# KiCad board 2000ATX.kicad_pcb (continued)
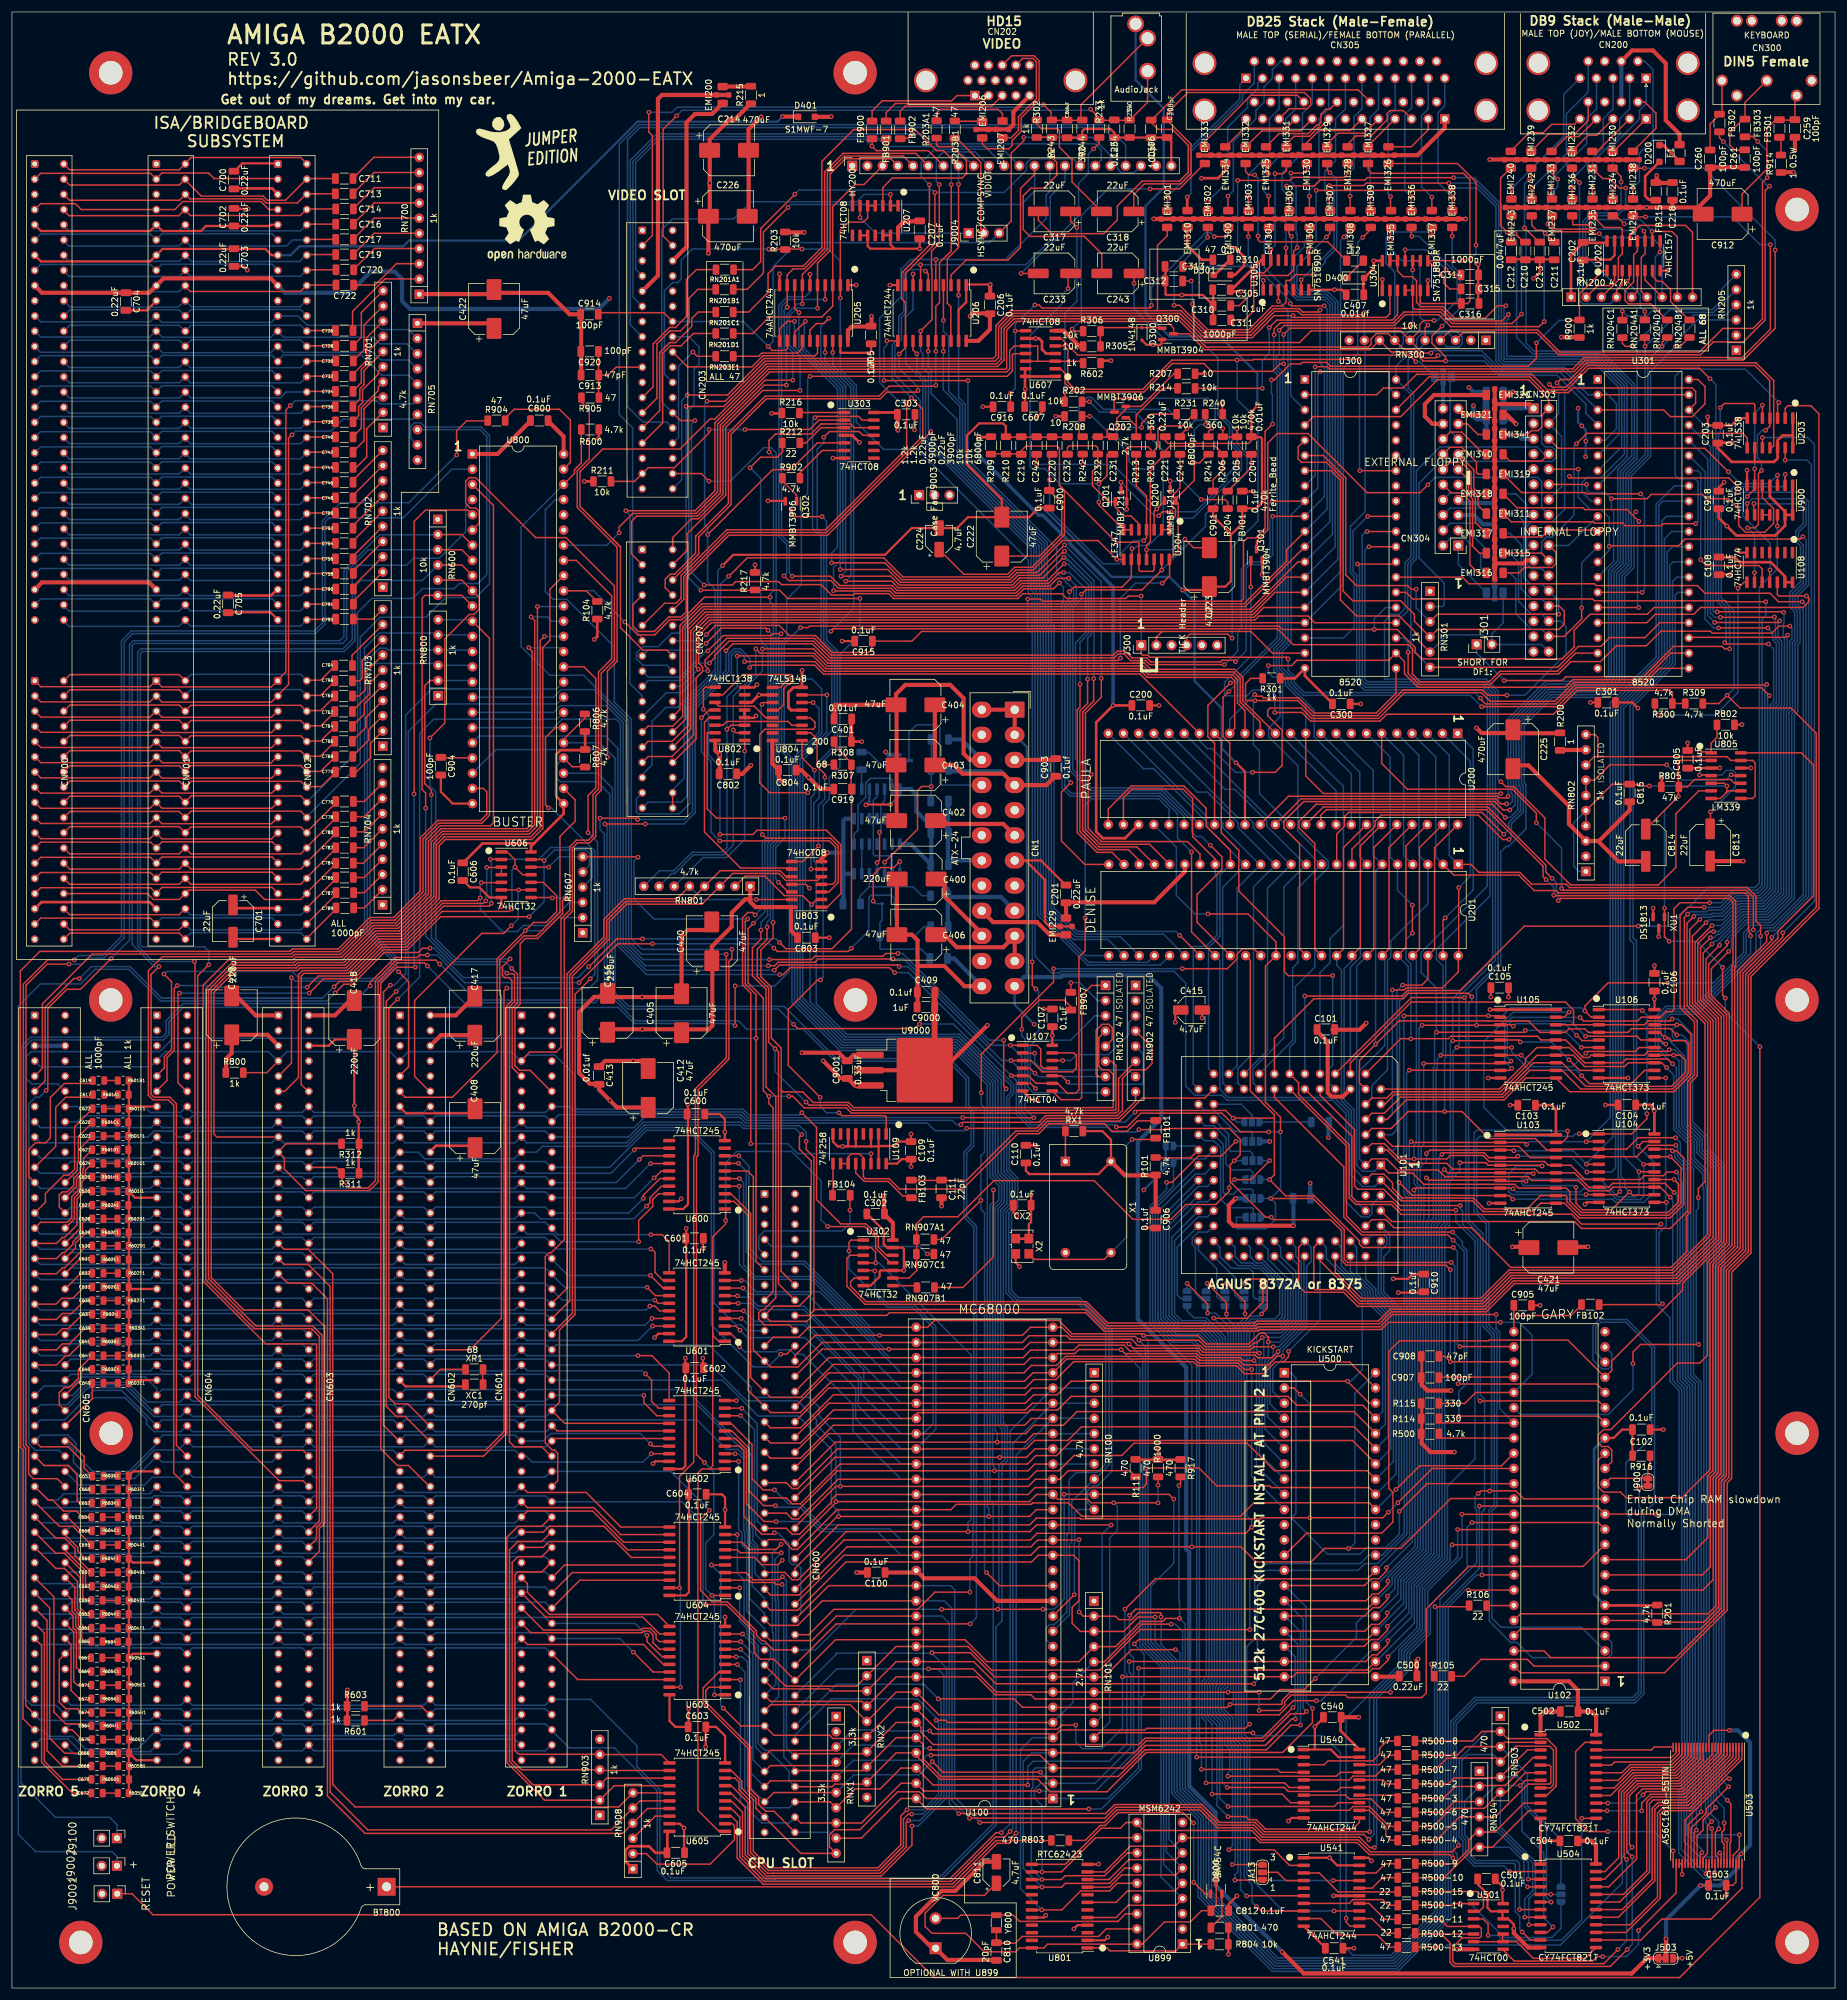
[diagram p0: board, top side]
## Placement (name value [footprint] x y rotation side) (continued)
EMI320  100pF  [C_1206_3216_Feedthrough]  247.9 266.19 180 top
EMI321  100pF  [C_1206_3216_Feedthrough]  247.9 262.89 180 top
EMI322  100pF  [C_1206_3216_Feedthrough]  247.9 233.17 180 bottom
EMI323  100pF  [C_1206_3216_Feedthrough]  247.9 239.78 180 bottom
EMI324  100pF  [C_1206_3216_Feedthrough]  247.9 243.08 180 bottom
EMI325  100pF  [C_1206_3216_Feedthrough]  209.67 306.27 90 top
EMI326  100pF  [C_1206_3216_Feedthrough]  230.12 306.27 90 top
EMI327  100pF  [C_1206_3216_Feedthrough]  226.71 306.27 90 top
EMI328  100pF  [C_1206_3216_Feedthrough]  223.31 306.27 90 top
EMI329  100pF  [C_1206_3216_Feedthrough]  219.9 306.27 90 top
EMI330  100pF  [C_1206_3216_Feedthrough]  216.49 306.27 90 top
EMI331  100pF  [C_1206_3216_Feedthrough]  213.08 306.27 90 top
EMI332  100pF  [C_1206_3216_Feedthrough]  206.26 306.27 270 top
EMI333  100pF  [C_1206_3216_Feedthrough]  199.44 306.27 270 top
EMI334  100pF  [C_1206_3216_Feedthrough]  202.85 306.27 270 top
EMI335  100pF  [C_1206_3216_Feedthrough]  230.58 295.61 90 top
EMI336  100pF  [C_1206_3216_Feedthrough]  233.98 295.61 90 top
EMI337  100pF  [C_1206_3216_Feedthrough]  237.39 295.61 90 top
EMI338  100pF  [C_1206_3216_Feedthrough]  240.79 295.61 90 top
EMI339  100pF  [C_1206_3216_Feedthrough]  247.9 246.38 180 bottom
EMI340  100pF  [C_1206_3216_Feedthrough]  247.9 256.29 180 top
EMI341  100pF  [C_1206_3216_Feedthrough]  247.9 259.59 180 top
F1  4A  [Fuse_1206_3216Metric]  278.81 306.63 90 top
F2  4A  [Fuse_1206_3216Metric]  224.54 288.65 180 top
F3  Fuse  [Fuse_1206_3216Metric]  247.9 266.7 180 bottom
F4  Fuse  [Fuse_1206_3216Metric]  247.9 262.13 180 bottom
FB101  Ferrite_Bead  [C_1206_3216Metric]  191.21 143.5 90 top
FB102  Ferrite_Bead  [C_1206_3216Metric]  263.88 114.2 180 top
FB103  Ferrite_Bead  [C_1206_3216Metric]  150.37 133.53 270 top
FB104  Ferrite_Bead  [C_1206_3216Metric]  138.66 132.48 0 top
FB215  Ferrite_Bead  [C_1206_3216Metric]  274.83 300.23 270 top
FB301  Ferrite_Bead  [C_1206_3216Metric]  295.5 310.73 270 top
FB302  Ferrite_Bead  [C_1206_3216Metric]  285.48 311.65 270 top
FB303  Ferrite_Bead  [C_1206_3216Metric]  289.75 310.81 270 top
FB401  Ferrite_Bead  [C_1206_3216Metric]  205.69 248.67 270 top
FB900  Ferrite_Bead  [C_1206_3216Metric]  143.8 310.5 270 top
FB901  Ferrite_Bead  [C_1206_3216Metric]  146.15 310.5 270 top
FB902  Ferrite_Bead  [C_1206_3216Metric]  148.5 310.5 270 top
FB907  Ferrite_Bead  [C_1206_3216Metric]  177.04 164.9 90 top
G***  LOGO  [JumperImage]  81.3 306.82 0 top
H1  -  [MountingHole_Pad]  16.51 320.04 0 top
H2  -  [MountingHole_Pad]  140.97 320.04 0 top
H3  -  [MountingHole_Pad]  298.45 297.18 0 top
H4  -  [MountingHole_Pad]  16.51 165.1 0 top
H5  -  [MountingHole_Pad]  141.02 165.1 0 top
H6  -  [MountingHole_Pad]  298.45 165.1 0 top
H7  -  [MountingHole_Pad]  16.59 92.71 0 top
H9  -  [MountingHole_Pad]  298.45 92.71 0 top
H10  -  [MountingHole_Pad]  11.51 7.62 0 top
H11  -  [MountingHole_Pad]  140.97 7.62 0 top
H12  -  [MountingHole_Pad]  298.45 7.62 0 top
HY200  VIDIOT  [PinSocket_1x22_P2.54mm_Vertical]  140.49 304.5 90 top
J102  Short for 8327A NTSC or 8375  [SolderJumper-2_P1.3mm_Open_RoundedPad1.0x1.5mm]  193.55 140.72 0 bottom
J300  TICK Header  [PinHeader_1x06_P2.54mm_Vertical]  188.8 224.38 90 top
J301  SHORT FOR DF1  [PinHeader_1x02_P2.54mm_Vertical]  244.88 224.54 90 top
J503  Mcc  [SolderJumper-3_P1.3mm_Bridged12_RoundedPad1.0x1.5mm]  276.49 4.98 0 top
J900  Enable Chip RAM slowdown during DMA  [SolderJumper-2_P1.3mm_Bridged_RoundedPad1.0x1.5mm]  273.5 84.52 90 top
J9001  RESET  [PinHeader_1x02_P2.54mm_Vertical]  17.6 15.75 270 top
J9002  POWER LED  [PinHeader_1x02_P2.54mm_Vertical]  17.55 20.42 270 top
J9003  Case Fan  [FanHeader_1x03_P2.54mm_Vertical]  151.68 249.47 90 top
J9004  HSYNC/COMPSYNC  [PinHeader_1x03_P2.54mm_Vertical]  159.96 293.24 90 top
J9100  POWER_SWITCH  [PinHeader_1x02_P2.54mm_Vertical]  17.55 25.04 270 top
JA1  8375/8372A  [SolderJumper-3_P1.3mm_Open_RoundedPad1.0x1.5mm]  207.3 144.72 0 bottom
JA2  8375/8372A  [SolderJumper-3_P1.3mm_Open_RoundedPad1.0x1.5mm]  207.37 141.48 0 bottom
JA3  8375/8372A  [SolderJumper-3_P1.3mm_Open_RoundedPad1.0x1.5mm]  207.41 138.25 0 bottom
JA4  8375/8372A  [SolderJumper-3_P1.3mm_Open_RoundedPad1.0x1.5mm]  207.46 135.09 0 bottom
JA5  8375/8372A  [SolderJumper-3_P1.3mm_Open_RoundedPad1.0x1.5mm]  207.49 131.94 0 bottom
JA6  8375/8372A  [SolderJumper-3_P1.3mm_Open_RoundedPad1.0x1.5mm]  207.53 128.79 0 bottom
JA7  8372A  [SolderJumper-2_P1.3mm_Open_RoundedPad1.0x1.5mm]  193.55 137.92 180 bottom
JA8  8375/8372A  [SolderJumper-3_P1.3mm_Open_RoundedPad1.0x1.5mm]  209.15 115.17 270 bottom
JA9  8375/8372A  [SolderJumper-3_P1.3mm_Open_RoundedPad1.0x1.5mm]  205.98 115.17 270 bottom
JA10  8375/8372A  [SolderJumper-3_P1.3mm_Open_RoundedPad1.0x1.5mm]  202.81 115.18 270 bottom
JA11  8375/8372A  [SolderJumper-3_P1.3mm_Open_RoundedPad1.0x1.5mm]  199.64 115.18 270 bottom
JA12  8375/8372A  [SolderJumper-3_P1.3mm_Open_RoundedPad1.0x1.5mm]  196.47 115.22 270 bottom
JA13  8375/8372A  [SolderJumper-3_P1.3mm_Open_RoundedPad1.0x1.5mm]  209.08 19.33 90 top
JA14  8375/8372A  [SolderJumper-3_P1.3mm_Open_RoundedPad1.0x1.5mm]  258.98 15.65 270 bottom
Q200  MMBFJ211  [SOT-23]  193.65 249.48 90 top
Q201  MMBFJ211  [SOT-23]  185.42 249.33 90 top
Q202  MMBT3906  [SOT-23]  185.27 263.34 180 top
Q300  MMBT3904  [SOT-23]  193.22 276.42 0 top
Q301  MMBT3904  [SOT-23]  208.09 239.51 90 top
Q302  MMBT3906  [SOT-23]  130.23 247.51 270 top
Q9100  MMBT3904  [SOT-23]  148.97 205.12 0 bottom
R101  4.7k  [R_1206_3216Metric]  191.21 137.32 90 top
R104  4.7k  [R_1206_3216Metric]  97.87 230.23 90 top
R105  22  [R_1206_3216Metric]  239.24 52.1 0 top
R106  22  [R_1206_3216Metric]  245.08 63.91 0 top
R109  4.7k  [R_1206_3216Metric]  218.69 144.71 180 bottom
R111  470  [R_1206_3216Metric]  187.86 86.87 270 top
R114  330  [R_1206_3216Metric]  237.08 95.15 180 top
R115  330  [R_1206_3216Metric]  237.08 97.69 180 top
R200  1  [R_1206_3216Metric]  258.83 208.28 90 top
R201  4.7k  [R_1206_3216Metric]  275.08 62.53 270 top
R202  10k  [R_1206_3216Metric]  177.44 265.07 0 top
R203  10k  [R_1206_3216Metric]  129.29 291.97 90 top
R203A1  47  [R_1206_3216Metric]  154.58 310.59 270 top
R203B1  47  [R_1206_3216Metric]  157.63 310.54 270 top
R204  470k  [R_1206_3216Metric]  203.25 248.67 270 top
R205  470k  [R_1206_3216Metric]  204.83 257.76 270 top
R206  10k  [R_1206_3216Metric]  202.44 257.76 270 top
R207  10  [R_1206_3216Metric]  196.34 269.75 180 top
R208  10  [R_1206_3216Metric]  177.44 262.64 180 top
R209  1.2k  [R_1206_3216Metric]  163.68 257.78 270 top
R210  1.2k  [R_1206_3216Metric]  166.19 257.78 90 top
R211  10k  [R_1206_3216Metric]  98.68 251.76 0 top
R212  22  [R_1206_3216Metric]  130.25 258.19 0 top
R213  2.7k  [R_1206_3216Metric]  187.96 257.76 90 top
R214  10k  [R_1206_3216Metric]  196.34 267.31 180 top
R215  1  [R_1206_3216Metric]  123.55 316.33 90 top
R216  10k  [R_1206_3216Metric]  130.2 263.17 0 top
R217  4.7k  [R_1206_3216Metric]  124.24 235.08 90 top
R230  360  [R_1206_3216Metric]  190.4 257.76 90 top
R231  10k  [R_1206_3216Metric]  196.19 262.99 0 top
R232  10k  [R_1206_3216Metric]  181.54 257.78 90 top
R233  1k  [R_1206_3216Metric]  181.77 310.69 270 top
R234  390  [R_1206_3216Metric]  186.85 310.69 90 top
R240  360  [R_1206_3216Metric]  200.96 262.99 0 top
R241  10k  [R_1206_3216Metric]  200.05 257.76 270 top
R242  10k  [R_1206_3216Metric]  179.02 257.78 90 top
R243  1k  [R_1206_3216Metric]  173.87 310.69 270 top
R244  390  [R_1206_3216Metric]  178.95 310.69 90 top
R300  4.7k  [R_1206_3216Metric]  276.14 214.64 180 top
R301  1k  [R_1206_3216Metric]  210.57 218.85 180 top
R302  1k  [R_1206_3216Metric]  171.35 310.69 90 top
R305  10k  [R_1206_3216Metric]  180.54 274.32 180 top
R306  10k  [R_1206_3216Metric]  180.54 276.86 0 top
R307  68  [R_1206_3216Metric]  138.89 204.42 180 top
R308  200  [R_1206_3216Metric]  138.89 208.28 180 top
R309  4.7k  [R_1206_3216Metric]  281.22 214.64 0 top
R310  47 0.5W  [R_1206_3216Metric]  202.23 288.8 0 top
R311  1k  [R_1206_3216Metric]  56.57 136.14 180 top
R312  1k  [R_1206_3216Metric]  56.57 141.07 180 top
R500  4.7k  [R_1206_3216Metric]  237.08 92.61 0 top
R500-1  47  [R_1206_3216Metric]  233.12 38.91 180 top
R500-2  47  [R_1206_3216Metric]  233.15 34.1 180 top
R500-3  47  [R_1206_3216Metric]  233.15 31.7 180 top
R500-4  47  [R_1206_3216Metric]  233.14 24.7 180 top
R500-5  47  [R_1206_3216Metric]  233.14 27.02 180 top
R500-6  47  [R_1206_3216Metric]  233.15 29.35 180 top
R500-7  47  [R_1206_3216Metric]  233.16 36.5 180 top
R500-8  47  [R_1206_3216Metric]  233.11 41.29 180 top
R500-9  47  [R_1206_3216Metric]  233.16 20.77 180 top
R500-10  47  [R_1206_3216Metric]  233.15 18.44 180 top
R500-11  47  [R_1206_3216Metric]  233.15 11.49 180 top
R500-12  22  [R_1206_3216Metric]  233.15 9.16 180 top
R500-13  47  [R_1206_3216Metric]  233.15 6.84 180 top
R500-14  22  [R_1206_3216Metric]  233.16 13.83 180 top
R500-15  22  [R_1206_3216Metric]  233.15 16.13 180 top
R600  4.7k  [R_1206_3216Metric]  96.65 260.44 0 top
R601  1k  [R_1206_3216Metric]  57.48 44.7 0 top
R601A1  1k  [R_0805_2012Metric]  18.61 149.29 180 top
R601B1  1k  [R_0805_2012Metric]  18.61 151.64 180 top
R601C1  1k  [R_0805_2012Metric]  18.54 144.65 180 top
R601D1  1k  [R_0805_2012Metric]  18.54 140.08 180 top
R601E1  1k  [R_0805_2012Metric]  18.61 146.94 180 top
R601F1  1k  [R_0805_2012Metric]  18.54 142.37 180 top
R601G1  1k  [R_0805_2012Metric]  18.54 137.79 180 top
R601H1  1k  [R_0805_2012Metric]  18.54 135.51 180 top
R601I1  1k  [R_0805_2012Metric]  18.54 133.16 180 top
R602  1k  [R_1206_3216Metric]  180.54 271.53 180 top
R602A1  1k  [R_0805_2012Metric]  18.54 130.81 180 top
R602B1  1k  [R_0805_2012Metric]  18.54 128.52 180 top
R602C1  1k  [R_0805_2012Metric]  18.61 126.24 180 top
R602D1  1k  [R_0805_2012Metric]  18.61 124.02 180 top
R602E1  1k  [R_0805_2012Metric]  18.61 121.73 180 top
R602F1  1k  [R_0805_2012Metric]  18.61 119.44 180 top
R602G1  1k  [R_0805_2012Metric]  18.61 117.16 180 top
R602H1  1k  [R_0805_2012Metric]  18.61 114.87 180 top
R602I1  1k  [R_0805_2012Metric]  18.61 112.59 180 top
R603  1k  [R_1206_3216Metric]  57.48 47.09 0 top
R603A1  1k  [R_0805_2012Metric]  18.61 110.3 180 top
R603B1  1k  [R_0805_2012Metric]  18.61 108.01 180 top
R603C1  1k  [R_0805_2012Metric]  18.61 103.38 180 top
R603D1  1k  [R_0805_2012Metric]  18.61 105.66 180 top
R603E1  1k  [R_0805_2012Metric]  18.61 101.09 180 top
R603F1  1k  [R_0805_2012Metric]  18.61 83.31 180 top
R603G1  1k  [R_0805_2012Metric]  18.61 85.6 180 top
R603H1  1k  [R_0805_2012Metric]  18.61 81.03 180 top
R603I1  1k  [R_0805_2012Metric]  18.61 78.68 180 top
R604  1k  [R_0805_2012Metric]  18.61 57.85 180 top
R604A1  1k  [R_0805_2012Metric]  18.61 74.04 180 top
R604B1  1k  [R_0805_2012Metric]  18.61 69.47 180 top
R604C1  1k  [R_0805_2012Metric]  18.61 76.39 180 top
R604D1  1k  [R_0805_2012Metric]  18.61 64.77 180 top
R604E1  1k  [R_0805_2012Metric]  18.61 71.75 180 top
R604F1  1k  [R_0805_2012Metric]  18.61 60.13 180 top
R604G1  1k  [R_0805_2012Metric]  18.61 67.12 180 top
R604H1  1k  [R_0805_2012Metric]  18.61 62.48 180 top
R604I1  1k  [R_0805_2012Metric]  18.67 43.81 180 top
R605  1k  [R_0805_2012Metric]  18.67 39.24 180 top
R605A1  1k  [R_0805_2012Metric]  18.61 55.18 180 top
R605B1  1k  [R_0805_2012Metric]  18.67 37.08 180 top
R605C1  1k  [R_0805_2012Metric]  18.67 52.9 180 top
R605D1  1k  [R_0805_2012Metric]  18.67 34.86 180 top
R605E1  1k  [R_0805_2012Metric]  18.67 50.61 180 top
R605F1  1k  [R_0805_2012Metric]  18.61 32.58 180 top
R605G1  1k  [R_0805_2012Metric]  18.67 48.32 180 top
R605H1  1k  [R_0805_2012Metric]  18.67 46.04 180 top
R605I1  1k  [R_0805_2012Metric]  18.67 41.53 180 top
R800  1k  [R_1206_3216Metric]  37.21 152.96 0 top
R801  470  [R_1206_3216Metric]  201.91 10.1 180 top
R802  10k  [R_1206_3216Metric]  286.52 211.09 0 top
R803  470  [R_1206_3216Metric]  175.24 24.67 0 top
R804  10k  [R_1206_3216Metric]  201.91 7.3 180 top
R805  47k  [R_1206_3216Metric]  277.22 200.71 0 top
R806  4.7k  [R_1206_3216Metric]  95.78 211.43 270 top
R807  4.7k  [R_1206_3216Metric]  95.83 205.49 90 top
R900  1k  [R_1206_3216Metric]  262.08 277.27 90 top
R902  4.7k  [R_1206_3216Metric]  130.27 252.3 0 top
R904  47  [R_1206_3216Metric]  81 261.92 0 top
R905  47  [R_1206_3216Metric]  96.67 265.76 180 top
R914  1 0.5W  [R_1206_3216Metric]  295.76 304.84 90 top
R916  4.7k  [R_1206_3216Metric]  272.41 88.95 180 top
R917  470  [R_1206_3216Metric]  195.38 86.87 270 top
R1000  470  [R_1206_3216Metric]  191.62 86.87 270 top
R9100  30k  [R_1206_3216Metric]  155.06 177.37 180 bottom
R9101  6.2k  [R_1206_3216Metric]  146.52 175.75 0 bottom
R9102  30k  [R_1206_3216Metric]  155.1 203.59 180 bottom
R9103  47k  [R_1206_3216Metric]  155.03 182.52 180 bottom
R9104  4.7k  [R_1206_3216Metric]  142.05 205.06 270 bottom
R9105  30k  [R_1206_3216Metric]  155.11 208.65 0 bottom
REF**  -  [OSHW-Logo2_14.6x12mm_SilkScreen]  86.1 294.13 0 top
RN100  4.7k  [R_Array_SIP10]  180.95 102.82 270 top
RN101  2.7k  [R_Array_SIP10]  180.9 64.67 270 top
RN102  47  [R_Array_SIP8]  182.83 167.54 270 top
RN200  4.7k  [R_Array_SIP9]  260.65 282.55 0 top
RN201A1  47  [R_1206_3216Metric]  119.18 287.15 180 top
RN201B1  47  [R_1206_3216Metric]  119.13 283.85 180 top
RN201C1  47  [R_1206_3216Metric]  119.13 280.06 180 top
RN201D1  47  [R_1206_3216Metric]  119.13 276.48 180 top
RN203E1  47  [R_1206_3216Metric]  119.13 272.67 0 top
RN204A1  68  [R_1206_3216Metric]  273 277.27 270 top
RN204B1  68  [R_1206_3216Metric]  280.47 277.27 270 top
RN204C1  68  [R_1206_3216Metric]  269.24 277.24 270 top
RN204D1  68  [R_1206_3216Metric]  276.76 277.27 270 top
RN205  1k  [R_Array_SIP6]  288.29 273.66 90 top
RN300  10k  [R_Array_SIP10]  246.43 275.34 180 top
RN301  1k  [R_Array_SIP6]  237.08 233.4 270 top
RN503  470  [R_Array_SIP6]  248.84 45.42 270 top
RN504  470  [R_Array_SIP6]  245.35 36.23 270 top
RN600  10k  [R_Array_SIP6]  71.2 245.41 270 top
RN607  1k  [R_Array_SIP6]  95.43 176.33 90 top
RN700  1k  [R_Array_SIP10]  68.1 283.03 90 top
RN701  1k  [R_Array_SIP10]  62.05 260.76 90 top
RN702  1k  [R_Array_SIP10]  62 234.09 90 top
RN703  1k  [R_Array_SIP10]  62 207.52 90 top
RN704  1k  [R_Array_SIP10]  61.95 181 90 top
RN705  4.7k  [R_Array_SIP10]  67.79 278.18 270 top
RN800  1k  [R_Array_SIP6]  71.25 215.95 90 top
RN801  4.7k  [R_Array_SIP8]  123.43 184.1 180 top
RN802  1k  [R_Array_SIP10]  263.14 186.59 90 top
RN902  47  [R_Array_SIP8]  187.86 167.54 270 top
RN903  1k  [R_Array_SIP6]  98.27 28.85 90 top
RN907A1  47  [R_1206_3216Metric]  152.67 125.08 180 top
RN907B1  47  [R_1206_3216Metric]  152.77 117.07 180 top
RN907C1  47  [R_1206_3216Metric]  152.67 122.65 180 top
RN908  1k  [R_Array_SIP6]  103.81 19.91 90 top
RNX1  3.3k  [R_Array_SIP10]  137.8 45.36 270 top
RNX2  3.3k  [R_Array_SIP10]  142.93 54.71 270 top
RX1  4.7k  [R_1206_3216Metric]  177.58 143.19 0 top
U100  MC68000  [DIP-64_W22.86mm_Socket]  174.04 31.67 180 top
U101  Agnus_MULTI  [PLCC-84_THT-Socket]  228.85 137.52 270 top
U102  GARY  [DIP-48_W15.24mm]  266.34 51.26 180 top
U103  74AHCT245  [SOIC-20W_7.5x12.8mm_P1.27mm]  253.49 136.86 0 top
U104  74HCT373  [SOIC-20W_7.5x12.8mm_P1.27mm]  269.95 137.01 0 top
U105  74AHCT245  [SOIC-20W_7.5x12.8mm_P1.27mm]  253.49 157.78 0 top
U106  74HCT373  [SOIC-20W_7.5x12.8mm_P1.27mm]  269.95 157.78 0 top
U107  74HCT04  [SOIC-14_3.9x8.7mm_P1.27mm]  171.45 153.72 0 top
U108  74HCT74  [SOIC-14_3.9x8.7mm_P1.27mm]  293.88 237.39 270 top
U109  74F258  [SOIC-16_3.9x9.9mm_P1.27mm]  141.71 140.24 270 top
U200  PAULA  [DIP-48_W15.24mm]  241.71 209.65 270 top
U201  DENISE  [DIP-48_W15.24mm]  241.81 187.76 270 top
U202  74HCT157  [SOIC-16_3.9x9.9mm_P1.27mm]  271.12 289.46 90 top
U203  74LS38  [SOIC-14_3.9x8.7mm_P1.27mm]  293.92 259.86 270 top
U204  LF347  [SOIC-14_3.9x8.7mm_P1.27mm]  189.69 241.2 270 top
U205  74AHCT244  [SOIC-20W_7.5x12.8mm_P1.27mm]  134.05 279.89 270 top
U206  74AHCT244  [SOIC-20W_7.5x12.8mm_P1.27mm]  153.82 279.89 270 top
U207  74HCT08  [SOIC-14_3.9x8.7mm_P1.27mm]  144.34 295.34 270 top
U300  8520  [DIP-40_W15.24mm]  216.15 268.78 0 top
U301  8520  [DIP-40_W15.24mm]  265.13 268.78 0 top
U302  74HCT32  [SOIC-14_3.9x8.7mm_P1.27mm]  144.8 121.17 0 top
U303  74HCT08  [SOIC-14_3.9x8.7mm_P1.27mm]  141.63 259.46 0 top
U304  SN75188DR  [SOIC-14_3.9x8.7mm_P1.27mm]  232.92 286.16 90 top
U305  SN75189DR  [SOIC-14_3.9x8.7mm_P1.27mm]  213 286.26 90 top
U500  KICKSTART  [DIP-42_W15.24mm]  212.73 102.82 0 top
U501  74HCT00  [SOIC-14_3.9x8.7mm_P1.27mm]  246.84 10.29 0 top
U502  CY74FCT821T  [SOIC-24W_7.5x15.4mm_P1.27mm]  260.21 35.34 0 top
U503  AS6C1616-55TIN  [TSOP-I-48_18.4x12mm_P0.5mm]  283.48 30.53 270 top
U504  CY74FCT821T  [SOIC-24W_7.5x15.4mm_P1.27mm]  260.19 13.74 0 top
U540  74AHCT244  [SOIC-20W_7.5x12.8mm_P1.27mm]  220.62 34.14 0 top
U541  74AHCT244  [SOIC-20W_7.5x12.8mm_P1.27mm]  220.62 16.05 0 top
U600  74HCT245  [SOIC-20W_7.5x12.8mm_P1.27mm]  114.53 135.89 180 top
U601  74HCT245  [SOIC-20W_7.5x12.8mm_P1.27mm]  114.53 113.79 180 top
U602  74HCT245  [SOIC-20W_7.5x12.8mm_P1.27mm]  114.53 92.46 180 top
U603  74HCT245  [SOIC-20W_7.5x12.8mm_P1.27mm]  114.58 54.71 180 top
U604  74HCT245  [SOIC-20W_7.5x12.8mm_P1.27mm]  114.58 71.32 180 top
U605  74HCT245  [SOIC-20W_7.5x12.8mm_P1.27mm]  114.58 31.9 180 top
U606  74HCT32  [SOIC-14_3.9x8.7mm_P1.27mm]  84.3 186.03 0 top
U607  74HCT08  [SOIC-14_3.9x8.7mm_P1.27mm]  171.95 273.13 180 top
U800  BUSTER  [DIP-48_W15.24mm]  76.99 256.34 0 top
U801  RTC62423  [SOIC-24W_7.5x15.4mm_P1.27mm]  175.18 13.69 180 top
U802  74HCT138  [SOIC-16_3.9x9.9mm_P1.27mm]  120.02 212.93 180 top
U803  74HCT08  [SOIC-14_3.9x8.7mm_P1.27mm]  132.87 184.43 180 top
U804  74LS148  [SOIC-16_3.9x9.9mm_P1.27mm]  129.62 212.9 180 top
U805  LM339  [SOIC-14_3.9x8.7mm_P1.27mm]  286.56 202.59 0 top
U899  MSM6242  [DIP-18_W7.62mm_Socket]  195.71 7.34 180 top
U900  74HCT00  [SOIC-14_3.9x8.7mm_P1.27mm]  293.9 248.64 270 top
U9000  MC7905  [TO-263-3_TabPin2]  151.1 153.37 0 top
U9101  74HCT14  [SOIC-14_3.9x8.7mm_P1.27mm]  144.62 188.68 90 bottom
U9102  74HCT74  [SOIC-14_3.9x8.7mm_P1.27mm]  144.62 197.87 90 bottom
VC800  22-47pF  [TrimmerCap]  154.43 9.14 90 top
X1  28.63636MHz  [Oscillator_DIP-14]  176.12 138.13 270 top
X2  7C-28.63636MBB-T  [Oscillator_SMD_SeikoEpson_SG8002LB-4Pin_5.0x3.2mm]  168.91 123.95 270 top
XC1  270pf  [C_1206_3216Metric]  77.29 100.84 180 top
XR1  68  [R_1206_3216Metric]  77.29 103.38 0 top
XU1  DS1813  [SOT-23]  275.34 178.06 270 top
Y800  32.768KHz  [Crystal_SMD_3215-2Pin_3.2x1.5mm]  164.59 10.92 270 top

## Library data of the parts
BT800 = -: Description: Single-cell battery
C100 C103-C106 C205 C206 C401 C407 C409 C413 C600-C606 C617 C619-C633 C635 C637 C639 C641 C645 C647 C649-C652 C654 C655 C657-C675 C711 C713 C714 C716 C717 C719 C720 C722 C726 C728 C730 C732 C734 C736 C738 C740 C742 C744 C746 C748 C750 C752 C754 C756 C758 C760 C762 C764 C766 C768 C770 C776 C778 C780 C782 C784 C786 C787 C789-C791 C793 C794 C796 C903 C906 C910 C913-C915 C9000 C9001 C9103-C9105 XC1 = -: Description: Unpolarized capacitor, small symbol
C101 C102 C107-C112 C200-C204 C207 C210-C213 C218-C221 C231 C232 C234 C241 C242 C244 C259-C261 C300-C306 C310-C316 C322 C323 C500-C504 C540 C541 C607 C700 C702-C705 C800 C802-C805 C810 C812 C815 C900 C901 C904 C905 C907 C908 C916 C918-C920 C9101 C9102 CX2 = -: Description: Unpolarized capacitor
CN1 = -: Description: ATX Power supply 24pins; Part: 39281243
CN200 = -: Description: 9-pin male D-SUB connector
CN205 = -: Part: SJ1-3533NG
CN300 = -: Description: 5-pin DIN connector (5-pin DIN-5 stereo); Part: SDS-50J
CN303 = -: Description: Generic connector, double row, 02x17, odd/even pin numbering scheme (row 1 odd numbers, row 2 even numbers), script generated (kicad-library-utils/schlib/autogen/connector/)
CN304 = -: Description: Generic connector, double row, 02x10, odd/even pin numbering scheme (row 1 odd numbers, row 2 even numbers), script generated (kicad-library-utils/schlib/autogen/connector/)
CN305 = -: Description: 25-pin female D-SUB connector
D200 D301 D400 D401 = -: Description: 50V 1A General Purpose Rectifier Diode, DO-41
D300 = -: Description: 100V 0.15A standard switching diode, DO-35; pART: 1N4148WSTR
D800 = -: Description: dual schottky barrier diode, common cathode
D9100 = -: Description: Diode
EMI200 EMI206 EMI207 EMI229-EMI243 EMI300-EMI341 = -: Description: Feedthrough capacitor
F1 F2 = -: Description: Fuse
FB900-FB902 = -: Part: ILHB1206ER750V
H1-H7 H9-H12 = -: Description: Mounting Hole with connection
J102 JA7 = -: Description: Solder Jumper, 2-pole, open
J300 = -: Description: Generic connector, single row, 01x06, script generated (kicad-library-utils/schlib/autogen/connector/)
J503 = -: Description: 3-pole Solder Jumper, pins 1+2 closed/bridged
J900 = -: Description: Solder Jumper, 2-pole, closed/bridged
Q200 Q201 = -: Description: 25mA Idss, 30V Vgs, N-Channel JFET, SOT-23
Q202 Q302 = -: Description: -0.2A Ic, -40V Vce, Small Signal PNP Transistor, SOT-23
Q300 Q301 Q9100 = -: Description: 0.2A Ic, 40V Vce, Small Signal NPN Transistor, SOT-23
R101 R105 R106 R109 R114 R115 R200-R202 R204-R210 R213 R214 R217 R230-R234 R240-R244 R300-R302 R305-R312 R500 R500-1-R500-15 R600 R601 R601A1 R601B1 R601C1 R601D1 R601E1 R601F1 R601G1 R601H1 R601I1 R602 R602A1 R602B1 R602C1 R602D1 R602E1 R602F1 R602G1 R602H1 R602I1 R603 R603A1 R603B1 R603C1 R603D1 R603E1 R603F1 R603G1 R603H1 R603I1 R604 R604A1 R604B1 R604C1 R604D1 R604E1 R604F1 R604G1 R604H1 R604I1 R605 R605A1 R605B1 R605C1 R605D1 R605E1 R605F1 R605G1 R605H1 R605I1 R802 R805 R900 R902 R914 R916 R9100-R9105 RN204A1 RN204B1 RN204C1 RN204D1 RN907A1 RN907B1 RN907C1 RX1 = -: Description: Resistor
R104 R111 R203 R203A1 R203B1 R211 R212 R215 R216 R800 R801 R803 R804 R806 R807 R904 R905 R917 R1000 RN201A1 RN201B1 RN201C1 RN201D1 RN203E1 XR1 = -: Description: Resistor, small symbol
RN100 RN101 RN300 RN700-RN705 RNX1 RNX2 = -: Description: 9 resistor network, star topology, bussed resistors, small symbol
RN102 RN902 = -: Description: 4 resistor network, parallel topology, SIP package, split
RN200 = -: Description: 8 resistor network, star topology, bussed resistors, small symbol
RN205 RN301 RN504 RN600 RN607 RN800 RN903 RN908 = -: Description: 5 resistor network, star topology, bussed resistors, small symbol
RN503 = -: Description: 5 resistor network, star topology, bussed resistors, small symbol; Part: 4606X-101-471LF
RN801 = -: Description: 7 resistor network, star topology, bussed resistors, small symbol
RN802 = -: Description: 5 resistor network, parallel topology, SIP package, split
U100 = -: Description: 16/32-bit Microprocessor
U102 = -: Description: Gary
U103 U105 U600-U605 = -: Description: Octal BUS Transceivers, 3-State outputs
U104 U106 = -: Description: 8-bit Latch, 3-state outputs
U107 = -: Description: Hex Inverter
U108 U9102 = -: Description: Dual D Flip-flop, Set & Reset
U109 = -: Description: Quad 2 to 1 Multiplexer, inverting; Alt Parts: 74AHCT158, 74ACT158, 74ACT157, 74AHCT157
U202 = -: Description: Quad 2 to 1 line Multiplexer
U203 = -: Description: Quad Buffer 2-input NAND Open collector
U205 U206 = -: Description: 8-bit Buffer/Line Driver 3-state
U207 U303 U607 U803 = -: Description: Quad And2
U302 U606 = -: Description: Quad 2-input OR
U304 U305 = -: Description: Quad Line EIA-232D
U501 U900 = -: Description: quad 2-input NAND gate
U502 U504 = -: Description: 10-BIT Bit Bus Interface
U540 U541 = -: Description: Octal Buffer and Line Driver With 3-State Output, active-low enables, non-inverting outputs
U802 = -: Description: Decoder 3 to 8 active low outputs
U804 = -: Description: Priority Encoder 3 to 8 cascadable
U805 = -: Description: Quad Differential Comparators, SOIC-14/TSSOP-14; Part: LM339ADR
U9000 = -: Description: Negative 1A 35V Linear Regulator, Fixed Output -5V, TO-220/TO-263
U9101 = -: Description: Hex inverter schmitt trigger
X2 = -: Description: CMOS Clock Oscillator 1 to 75 MHz
Y800 = -: Description: Two pin crystal

## Footprints (pads in the part's own frame, mm; a bottom-side part is the same pattern mirrored in y, then rotated)
2x18_P2.54mm_Horizontal
  rrect 1.31x1.31 hole 0.8: 1(-22.733,-2.413)
  round 1.31 hole 0.8: 2(-22.733,2.667) 3(-20.193,-2.413) 4(-20.193,2.667) 5(-17.653,-2.413) 6(-17.653,2.667) 7(-15.113,-2.413) 8(-15.113,2.667) 9(-12.573,-2.413) 10(-12.573,2.667) 11(-10.033,-2.413) 12(-10.033,2.667) 13(-7.493,-2.413) 14(-7.493,2.667) 15(-4.953,-2.413) 16(-4.953,2.667) 17(-2.413,-2.413) 18(-2.413,2.667) 19(0.127,-2.413) 20(0.127,2.667) 21(2.667,-2.413) 22(2.667,2.667) 23(5.207,-2.413) 24(5.207,2.667) 25(7.747,-2.413) 26(7.747,2.667) 27(10.287,-2.413) 28(10.287,2.667) 29(12.827,-2.413) 30(12.827,2.667) 31(15.367,-2.413) 32(15.367,2.667) 33(17.907,-2.413) 34(17.907,2.667) 35(20.447,-2.413) 36(20.447,2.667)
BatteryHolder_Keystone_103_1x20mm
  rect 3x3 hole 1.5: 1(0,0)
  round 3 hole 1.5: 2(20.49,0)
C_0805_2012Metric
  rrect 1x1.45 smd: 1(-0.95,0) 2(0.95,0)
C_1206_3216_Feedthrough
  rrect 1.25x1.75 smd: 1(-1.4,0) 2(1.4,0)
  rrect 0.94x0.94 smd: 3(0,1.016) 3(0,-1.016)
C_1206_3216Metric
  rrect 1.15x1.8 smd: 1(-1.475,0) 2(1.475,0)
CP_Elec_4x5.8
  rrect 2.6x1.6 smd: 1(-1.8,0) 2(1.8,0)
CP_Elec_6.3x5.8
  rrect 3.5x1.6 smd: 1(-2.7,0) 2(2.7,0)
CP_Elec_8x10
  rrect 3.5x2.5 smd: 1(-3.25,0) 2(3.25,0)
Crystal_SMD_3215-2Pin_3.2x1.5mm
  rect 1x1.8 smd: 1(1.25,0) 2(-1.25,0)
D_SOD-123F
  rrect 1.1x1.1 smd: 1(-1.4,0) 2(1.4,0)
D_SOD-323
  rrect 0.6x0.45 smd: 1(-1.05,0) 2(1.05,0)
DIN5
  round 2 hole 1.3: 0(-5,0) 0(-2.5,0) 0(2.5,0) 0(5,0) 1(7.5,10) 2(0,10) 3(-7.5,10) 4(5,12.5) 5(-5,12.5)
DIP-18_W7.62mm_Socket
  rect 1.6x1.6 hole 0.8: 1(0,0)
  oval 1.6x1.6 hole 0.8: 2(0,-2.54) 3(0,-5.08) 4(0,-7.62) 5(0,-10.16) 6(0,-12.7) 7(0,-15.24) 8(0,-17.78) 9(0,-20.32) 10(7.62,-20.32) 11(7.62,-17.78) 12(7.62,-15.24) 13(7.62,-12.7) 14(7.62,-10.16) 15(7.62,-7.62) 16(7.62,-5.08) 17(7.62,-2.54) 18(7.62,0)
DIP-40_W15.24mm
  rect 1.422x1.422 hole 0.8: 1(0,0)
  round 1.422 hole 0.8: 2(0,-2.54) 3(0,-5.08) 4(0,-7.62) 5(0,-10.16) 6(0,-12.7) 7(0,-15.24) 8(0,-17.78) 9(0,-20.32) 10(0,-22.86) 11(0,-25.4) 12(0,-27.94) 13(0,-30.48) 14(0,-33.02) 15(0,-35.56) 16(0,-38.1) 17(0,-40.64) 18(0,-43.18) 19(0,-45.72) 20(0,-48.26) 21(15.24,-48.26) 22(15.24,-45.72) 23(15.24,-43.18) 24(15.24,-40.64) 25(15.24,-38.1) 26(15.24,-35.56) 27(15.24,-33.02) 28(15.24,-30.48) 29(15.24,-27.94) 30(15.24,-25.4) 31(15.24,-22.86) 32(15.24,-20.32) 33(15.24,-17.78) 34(15.24,-15.24) 35(15.24,-12.7) 36(15.24,-10.16) 37(15.24,-7.62) 38(15.24,-5.08) 39(15.24,-2.54) 40(15.24,0)
DIP-42_W15.24mm
  rect 1.6x1.6 hole 0.8: 1(0,0)
  oval 1.6x1.6 hole 0.8: 2(0,-2.54) 3(0,-5.08) 4(0,-7.62) 5(0,-10.16) 6(0,-12.7) 7(0,-15.24) 8(0,-17.78) 9(0,-20.32) 10(0,-22.86) 11(0,-25.4) 12(0,-27.94) 13(0,-30.48) 14(0,-33.02) 15(0,-35.56) 16(0,-38.1) 17(0,-40.64) 18(0,-43.18) 19(0,-45.72) 20(0,-48.26) 21(0,-50.8) 22(15.24,-50.8) 23(15.24,-48.26) 24(15.24,-45.72) 25(15.24,-43.18) 26(15.24,-40.64) 27(15.24,-38.1) 28(15.24,-35.56) 29(15.24,-33.02) 30(15.24,-30.48) 31(15.24,-27.94) 32(15.24,-25.4) 33(15.24,-22.86) 34(15.24,-20.32) 35(15.24,-17.78) 36(15.24,-15.24) 37(15.24,-12.7) 38(15.24,-10.16) 39(15.24,-7.62) 40(15.24,-5.08) 41(15.24,-2.54) 42(15.24,0)
DIP-48_W15.24mm
  rect 1.6x1.6 hole 0.8: 1(0,0)
  oval 1.6x1.6 hole 0.8: 2(0,-2.54) 3(0,-5.08) 4(0,-7.62) 5(0,-10.16) 6(0,-12.7) 7(0,-15.24) 8(0,-17.78) 9(0,-20.32) 10(0,-22.86) 11(0,-25.4) 12(0,-27.94) 13(0,-30.48) 14(0,-33.02) 15(0,-35.56) 16(0,-38.1) 17(0,-40.64) 18(0,-43.18) 19(0,-45.72) 20(0,-48.26) 21(0,-50.8) 22(0,-53.34) 23(0,-55.88) 24(0,-58.42) 25(15.24,-58.42) 26(15.24,-55.88) 27(15.24,-53.34) 28(15.24,-50.8) 29(15.24,-48.26) 30(15.24,-45.72) 31(15.24,-43.18) 32(15.24,-40.64) 33(15.24,-38.1) 34(15.24,-35.56) 35(15.24,-33.02) 36(15.24,-30.48) 37(15.24,-27.94) 38(15.24,-25.4) 39(15.24,-22.86) 40(15.24,-20.32) 41(15.24,-17.78) 42(15.24,-15.24) 43(15.24,-12.7) 44(15.24,-10.16) 45(15.24,-7.62) 46(15.24,-5.08) 47(15.24,-2.54) 48(15.24,0)
DIP-64_W22.86mm_Socket
  rect 1.6x1.6 hole 0.8: 1(0,0)
  oval 1.6x1.6 hole 0.8: 2(0,-2.54) 3(0,-5.08) 4(0,-7.62) 5(0,-10.16) 6(0,-12.7) 7(0,-15.24) 8(0,-17.78) 9(0,-20.32) 10(0,-22.86) 11(0,-25.4) 12(0,-27.94) 13(0,-30.48) 14(0,-33.02) 15(0,-35.56) 16(0,-38.1) 17(0,-40.64) 18(0,-43.18) 19(0,-45.72) 20(0,-48.26) 21(0,-50.8) 22(0,-53.34) 23(0,-55.88) 24(0,-58.42) 25(0,-60.96) 26(0,-63.5) 27(0,-66.04) 28(0,-68.58) 29(0,-71.12) 30(0,-73.66) 31(0,-76.2) 32(0,-78.74) 33(22.86,-78.74) 34(22.86,-76.2) 35(22.86,-73.66) 36(22.86,-71.12) 37(22.86,-68.58) 38(22.86,-66.04) 39(22.86,-63.5) 40(22.86,-60.96) 41(22.86,-58.42) 42(22.86,-55.88) 43(22.86,-53.34) 44(22.86,-50.8) 45(22.86,-48.26) 46(22.86,-45.72) 47(22.86,-43.18) 48(22.86,-40.64) 49(22.86,-38.1) 50(22.86,-35.56) 51(22.86,-33.02) 52(22.86,-30.48) 53(22.86,-27.94) 54(22.86,-25.4) 55(22.86,-22.86) 56(22.86,-20.32) 57(22.86,-17.78) 58(22.86,-15.24) 59(22.86,-12.7) 60(22.86,-10.16) 61(22.86,-7.62) 62(22.86,-5.08) 63(22.86,-2.54) 64(22.86,0)
DSUB-9_Male_Stack
  round 4 hole 3.2: 0(-12.548,16.4) 0(-12.548,8.5) 0(12.452,16.4) 0(12.452,8.5)
  rect 1.6x1.6 hole 1: 1(-5.588,11.02) 10(-5.588,17.82)
  round 1.6 hole 1: 2(-2.818,11.02) 3(-0.048,11.02) 4(2.722,11.02) 5(5.492,11.02) 6(-4.203,8.18) 7(-1.433,8.18) 8(1.337,8.18) 9(4.107,8.18) 11(-2.818,17.82) 12(-0.048,17.82) 13(2.722,17.82) 14(5.492,17.82) 15(-4.203,14.98) 16(-1.433,14.98) 17(1.337,14.98) 18(4.107,14.98)
DSUB-15-HD_Female_Horizontal_P2.29x1.98mm_EdgePinOffset8.35mm_Housed_MountingHolesOffset10.89mm
  round 4 hole 3.2: 0(-12.243,11.43) 0(12.757,11.43)
  rect 1.6x1.6 hole 1: 1(4.572,13.97)
  round 1.6 hole 1: 2(2.282,13.97) 3(-0.008,13.97) 4(-2.298,13.97) 5(-4.588,13.97) 6(5.717,11.43) 7(3.427,11.43) 8(1.137,11.43) 9(-1.153,11.43) 10(-3.443,11.43) 11(4.572,8.89) 12(2.282,8.89) 13(-0.008,8.89) 14(-2.298,8.89) 15(-4.588,8.89)
DSUB-25_Stack_Female_Bottom_Male_Top
  round 4 hole 3.2: 0(-23.533,16.4) 0(-23.533,8.5) 0(23.567,16.4) 0(23.567,8.5)
  rect 1.6x1.6 hole 1: 1(16.637,11.02) 26(-16.603,17.82)
  round 1.6 hole 1: 2(13.867,11.02) 3(11.097,11.02) 4(8.327,11.02) 5(5.557,11.02) 6(2.787,11.02) 7(0.017,11.02) 8(-2.753,11.02) 9(-5.523,11.02) 10(-8.293,11.02) 11(-11.063,11.02) 12(-13.833,11.02) 13(-16.603,11.02) 14(15.252,8.18) 15(12.482,8.18) 16(9.712,8.18) 17(6.942,8.18) 18(4.172,8.18) 19(1.402,8.18) 20(-1.368,8.18) 21(-4.138,8.18) 22(-6.908,8.18) 23(-9.678,8.18) 24(-12.448,8.18) 25(-15.218,8.18) 27(-13.833,17.82) 28(-11.049,17.82) 29(-8.293,17.82) 30(-5.523,17.82) 31(-2.753,17.82) 32(0.017,17.82) 33(2.794,17.82) 34(5.557,17.82) 35(8.327,17.82) 36(11.097,17.82) 37(13.843,17.82) 38(16.637,17.82) 39(-15.24,14.98) 40(-12.448,14.986) 41(-9.652,14.986) 42(-6.908,14.986) 43(-4.138,14.986) 44(-1.368,14.986) 45(1.397,14.986) 46(4.172,14.986) 47(6.942,14.986) 48(9.712,14.986) 49(12.482,14.986) 50(15.252,14.986)
FanHeader_1x03_P2.54mm_Vertical
  rect 1.7x1.7 hole 1: 1(0,0)
  oval 1.7x1.7 hole 1: 2(0,-2.54) 3(0,-5.08)
Fuse_1206_3216Metric
  rrect 1.25x1.75 smd: 1(-1.4,0) 2(1.4,0)
ISA_16-BIT_P2.54mm_Horizontal
  round 1.31 hole 0.8: A1(-63.504,2.286) A2(-60.964,2.286) A3(-58.424,2.286) A4(-55.884,2.286) A5(-53.344,2.286) A6(-50.804,2.286) A7(-48.264,2.286) A8(-45.724,2.286) A9(-43.184,2.286) A10(-40.644,2.286) A11(-38.104,2.286) A12(-35.564,2.286) A13(-33.024,2.286) A14(-30.484,2.286) A16(-25.404,2.286) A17(-22.864,2.286) A18(-20.324,2.286) A19(-17.784,2.286) A20(-15.244,2.286) A21(-12.704,2.286) A22(-10.164,2.286) A23(-7.624,2.286) A24(-5.084,2.286) A25(-2.544,2.286) A26(-0.004,2.286) A27(2.536,2.286) A28(5.076,2.286) A29(7.616,2.286) A30(10.156,2.286) A31(12.696,2.286) B2(-60.964,-2.564) B3(-58.424,-2.565) B4(-55.884,-2.565) B5(-53.344,-2.565) B6(-50.804,-2.565) B7(-48.264,-2.565) B8(-45.724,-2.565) B9(-43.184,-2.565) B10(-40.644,-2.565) B11(-38.104,-2.565) B12(-35.564,-2.565) B13(-33.024,-2.565) B14(-30.484,-2.565) B15(-27.944,-2.565) B16(-25.404,-2.565) B17(-22.864,-2.565) B18(-20.324,-2.565) B19(-17.784,-2.565) B20(-15.244,-2.565) B21(-12.704,-2.565) B22(-10.164,-2.565) B23(-7.624,-2.565) B24(-5.084,-2.565) B25(-2.544,-2.565) B26(-0.004,-2.565) B27(2.536,-2.565) B28(5.076,-2.565) B29(7.616,-2.565) B30(10.156,-2.565) B31(12.696,-2.565) C1(22.856,2.286) C2(25.396,2.286) C3(27.936,2.286) C4(30.476,2.286) C5(33.016,2.286) C6(35.556,2.286) C7(38.096,2.286) C8(40.636,2.286) C9(43.176,2.286) C10(45.716,2.286) C11(48.256,2.286) C12(50.796,2.286) C13(53.336,2.286) C14(55.876,2.286) C15(58.416,2.286) C16(60.956,2.286) C17(63.496,2.286) C18(66.036,2.286) D2(25.396,-2.54) D3(27.936,-2.54) D4(30.476,-2.54) D5(33.016,-2.54) D6(35.556,-2.54) D7(38.096,-2.54) D8(40.636,-2.565) D9(43.176,-2.54) D10(45.716,-2.54) D11(48.256,-2.54) D12(50.796,-2.54) D13(53.336,-2.54) D14(55.876,-2.565) D15(58.416,-2.54) D16(60.956,-2.565) D17(63.496,-2.565) D18(66.036,-2.565)
  round 1.31 hole 0.71: A15(-27.944,2.286)
  rrect 1.31x1.31 hole 0.8: B1(-63.504,-2.565)
  rrect 1.31x1.31 hole 0.71: D1(22.856,-2.565)
